# KiCad board polygonus.kicad_pcb (continued)
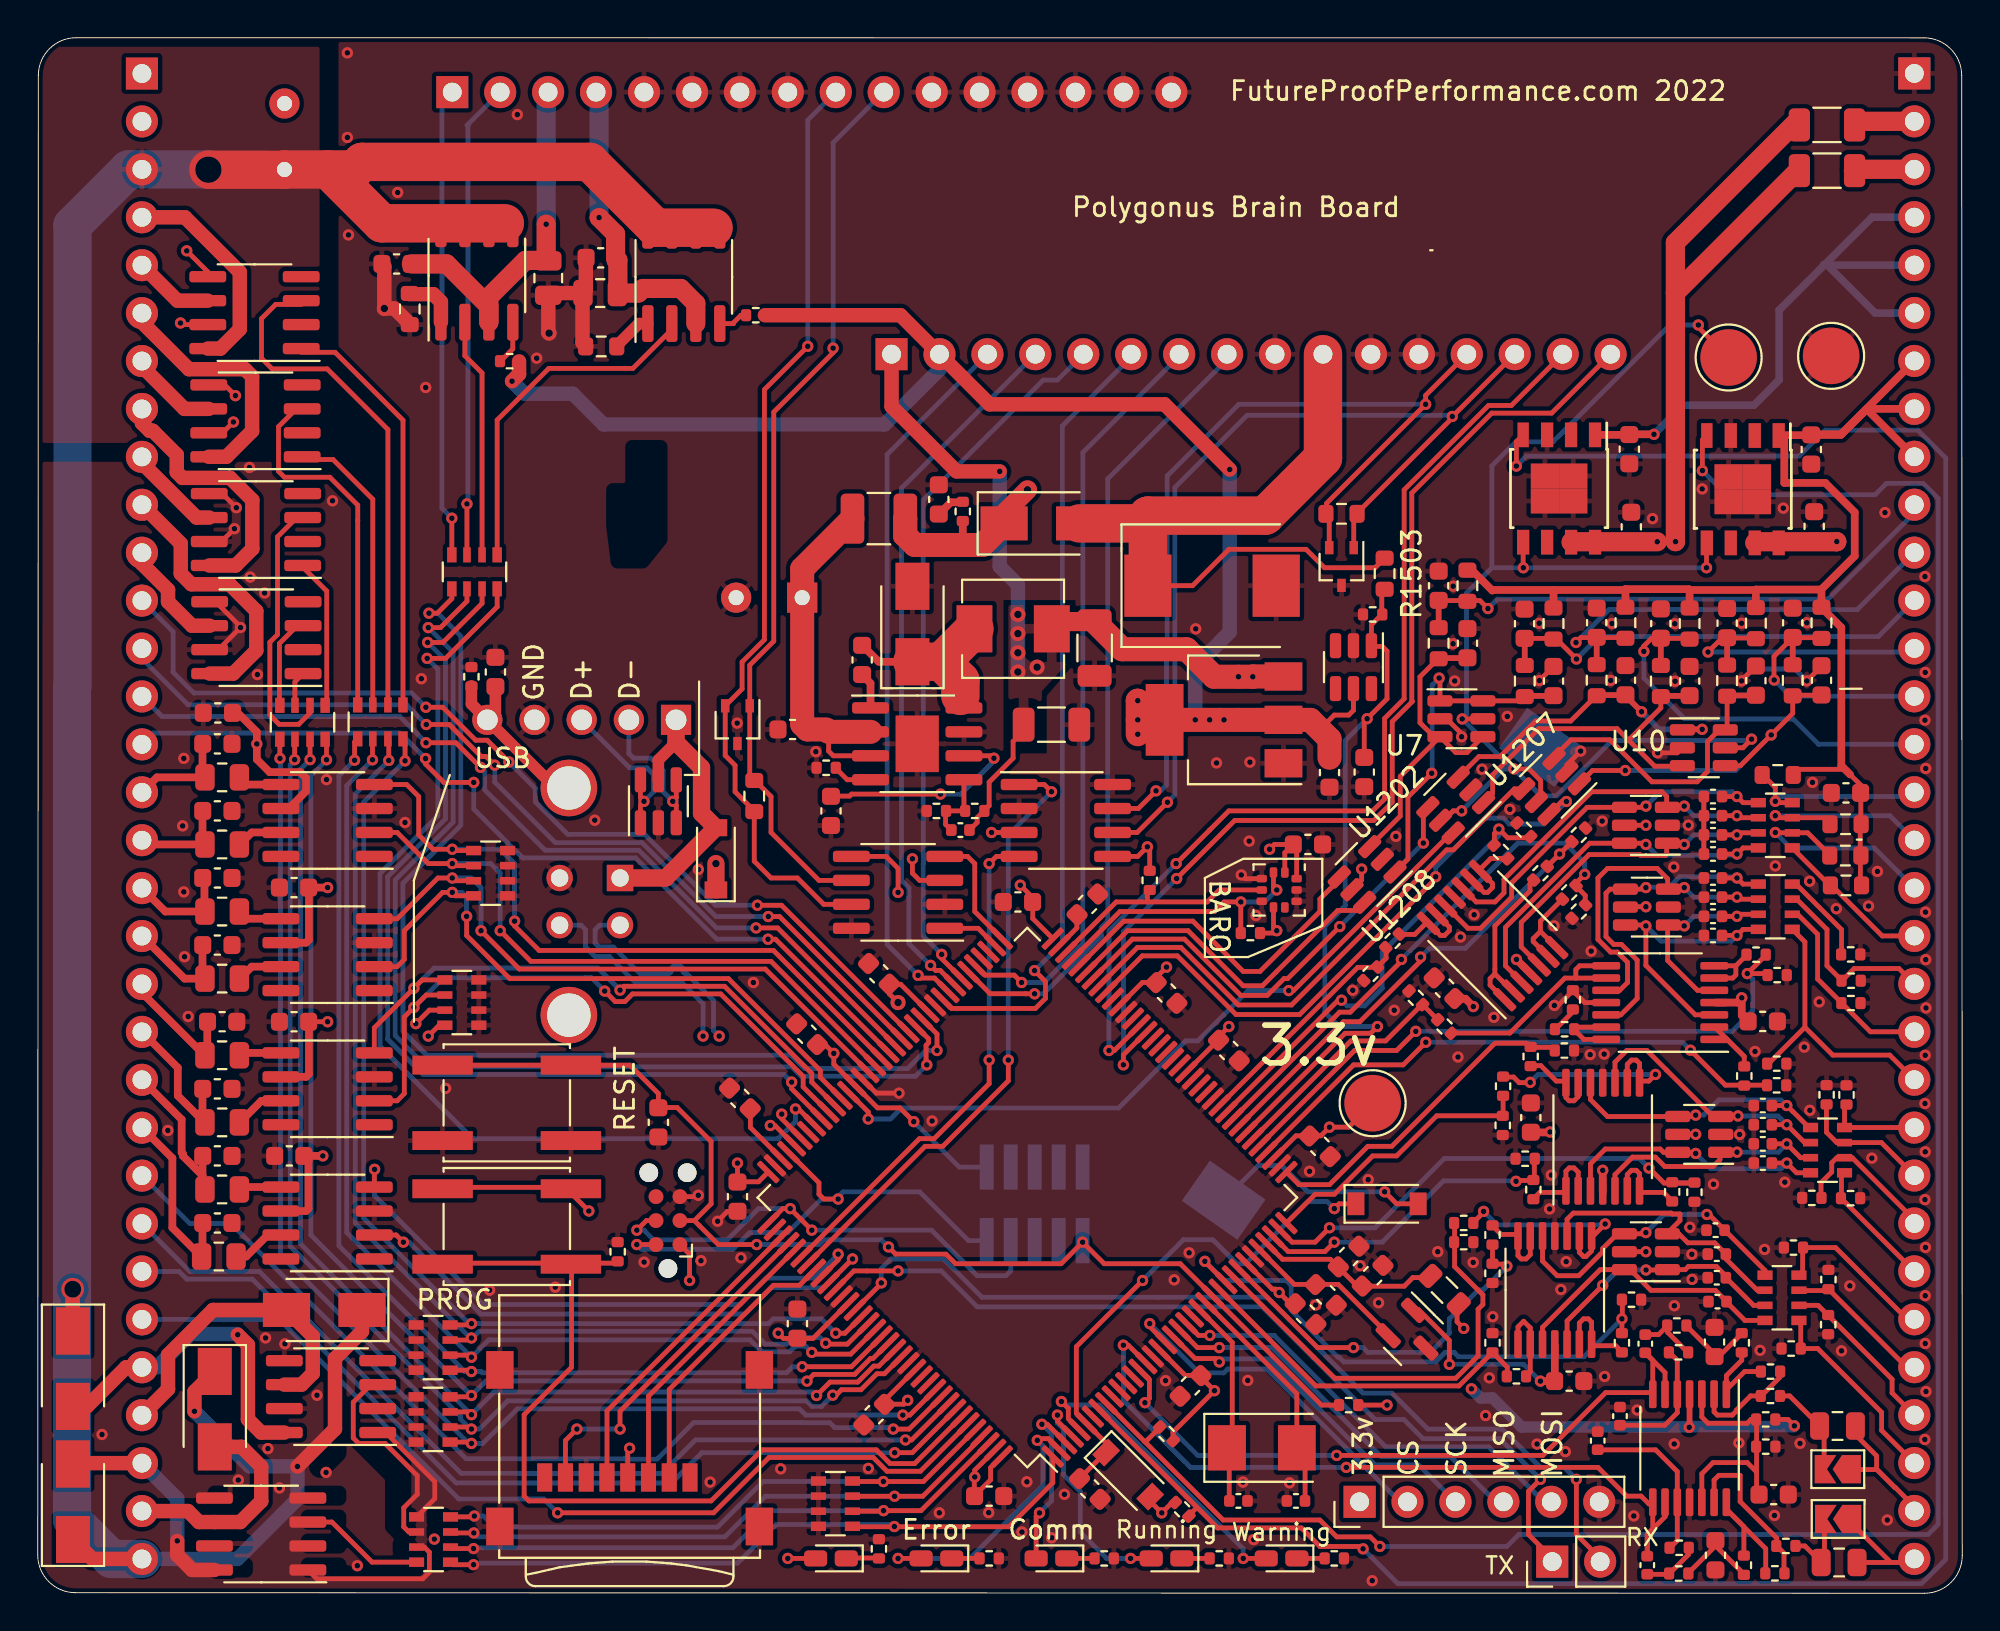
[diagram p0: board, top side]
## Routing (per net, layer and track width the routed paths; a pad name or vN(x,y) marks a point on that pad's centre or on a via; arc(x,y) is an arc through that point) (continued)
/mcu/BARO_SDA: length 12.4
  Top w0.254: 58.79,36.65 58.79,37.18 58.92,37.3 ; 58.79,36.65 57.14,36.65 U1501.70 ; 58.79,36.65 61.97,36.65 62.6,37.28 U9.4
/mcu/BOOT0: length 48.4
  Top w0.254: 30.73,17.62 30.61,17.5 28.28,17.5 ; 28.28,17.5 28.28,11.98 25.77,9.47 25.77,5.15 26.03,4.9 35.68,4.9 38.39,7.6 44.44,7.6 45.17,6.87 46.46,6.87 U1501.138 ; 28.28,17.5 21.48,17.5
/mcu/CAN2_RX: length 6.3
  Top w0.254: U1501.73 51.08,34.71 49.65,36.14 49.65,38.68 49.27,39.06 U6.4
/mcu/CAN2_TX: length 3
  Top w0.254: U6.1 49.83,35.25 U1501.74
/mcu/CAN_RX: length 27.1
  Top w0.254: v1(50.41,28.26) 50.41,27.01 47.5,24.1 46.72,24.1 U1501.114 ; v1(50.41,38.68) 50.79,39.06 U904.4
  Bottom w0.254: v1(50.41,38.68) v1(50.41,28.26)
/mcu/CAN_TX: length 32.7
  Top w0.254: v1(53.71,42.49) 53.33,42.87 U904.1 ; U1501.115 47.02,23.69 47.95,23.69 51.43,27.16 v1(51.43,28.26)
  Bottom w0.254: v1(53.71,42.49) 51.43,40.2 v1(51.43,28.26)
/mcu/DIGITAL1: length 38.9
  Top w0.254: 74.69,40.25 74.69,40.09 66.54,31.95 v1(66.29,31.95) ; v1(44,25.14) 44,25.52 U1501.96
  Bottom w0.254: v1(66.29,31.95) 64.13,31.95 61.46,29.28 60.83,29.28 57.27,25.72 45.77,25.72 45.18,25.14 v1(44,25.14)
/mcu/DIGITAL2: length 32.9
  Top w0.254: v1(74.07,37.98) 74.07,37.88 66.86,30.68 63.49,30.68 60.38,33.79 58.53,33.79 U1501.64 ; v1(81,41.97) 80.75,41.97 U1207.6
  Bottom w0.254: v1(81,41.97) 79.8,40.77 77.97,40.77 77.66,41.09 77.18,41.09 77.18,41.08 76.69,41.08 74.07,38.47 v1(74.07,37.98)
/mcu/DIGITAL3: length 29.3
  Top w0.254: U1501.65 58.27,34.23 60.57,34.23 63.62,31.18 66.43,31.18 74.66,39.41 75.01,39.41 78.24,42.64 U1207.4
/mcu/DIGITAL4: length 18.7
  Top w0.254: U1208.6 69.88,36.19 68.88,36.19 64.89,32.2 63.87,32.2 60.95,35.12 57.74,35.12 U1501.67
/mcu/DIGITAL5: length 24.9
  Top w0.254: v1(73.42,39.77) 73.42,41.41 U1202.4 ; U1501.66 58,34.68 60.76,34.68 63.75,31.69 65.14,31.69 66.03,32.58 66.23,32.58 v1(68.99,35.34)
  Bottom w0.254: v1(73.42,39.77) v1(68.99,35.34)
/mcu/DIGITAL6: length 18.2
  Top w0.254: U1501.68 57.54,35.63 61.21,35.63 63.87,32.96 64.76,32.96 67.94,36.14 67.94,36.8 68.96,37.83
/mcu/LED1: length 14.5
  Top w0.254: D1504.2 v1(45.59,1.85) ; v1(52.96,8.11) 53.05,8.19 53.55,8.19 U1501.2
  Bottom w0.254: v1(45.59,1.85) 49.4,1.85 53.26,5.71 53.26,7.81 v1(52.96,8.11)
/mcu/LED2: length 9.4
  Top w0.254: U1501.3 53.49,8.96 v1(53.21,8.96) ; v1(53.08,4.26) 52.9,4.08 D1505.2
  Bottom w0.254: v1(53.08,4.26) 53.71,4.9 53.71,8.45 v1(53.21,8.96)
/mcu/LED3: length 12.5
  Top w0.254: D1506.2 v1(57.9,1.85) ; U1501.4 54.03,9.13 v1(54.03,9.44)
  Bottom w0.254: v1(57.9,1.85) 56.63,1.85 55.24,3.24 55.24,5.4 54.35,6.29 54.35,8.7 54.03,9.02 v1(54.03,9.44)
/mcu/LED4: length 16.5
  Top w0.254: U1501.5 54.61,9.25 54.61,9.8 v1(54.24,10.17) ; v1(63.87,1.85) D1507.2
  Bottom w0.254: v1(54.24,10.17) 54.43,9.98 56.25,9.98 63.87,2.36 v1(63.87,1.85)
/mcu/nRESET: length 61.1
  Top w0.254: v1(45.08,18.36) 45.46,17.98 48.13,17.98 48.63,17.47 54.22,17.47 v1(55.36,18.61) 56.51,17.47 60.54,17.47 U1501.25 68.03,9.98 68.98,9.98 ; SW1501.1 SW1501.1 31.37,28 32.89,26.49 32.89,25.75 33.88,25.75 35.68,23.95 35.68,20.64 34.79,19.75 ; J4.3 34.79,19.75 ; 34.79,19.75 36.06,18.48 v1(38.09,18.48)
  Bottom w0.254: J1502.10 v1(55.36,18.61) ; v1(45.08,18.36) 44.7,18.74 41.65,18.74 41.39,18.48 v1(38.09,18.48)
/mcu/SD_CS: length 15
  Top w0.254: J1.2 33.46,10.81 38.98,16.33 40.36,16.33 U1501.116
/mcu/SD_MISO: length 18.7
  Top w0.254: J1.7 27.96,8.1 v1(28.57,8.71) ; v1(30.85,8.71) 30.85,9.65 U1501.112
  Bottom w0.254: v1(28.57,8.71) v1(30.85,8.71)
/mcu/SD_MOSI: length 15.3
  Top w0.254: U1501.113 32.36,10.45 J1.3
/mcu/SD_SCK: length 16.6
  Top w0.254: J1.5 30.16,9.66 U1501.111
/mcu/SWCLK: length 26.6
  Top w0.254: v1(31.74,19.25) 32.25,19.75 J4.4 ; v1(41.01,19.25) v1(39.87,20.39) 39.47,20.39 U1501.109
  Bottom w0.254: v1(39.87,20.39) 38.19,20.39 36.53,18.74 32.63,18.74 32.12,19.25 v1(31.74,19.25) ; v1(41.01,19.25) 47.36,19.25 49.78,16.83 51.3,16.83 51.55,17.09 51.55,18.69
/mcu/SWDIO: length 26.1
  Top w0.254: J4.2 v1(31.74,18.48) ; v1(42.41,20.9) 41.65,20.9 41.39,21.15 41.39,21.76 U1501.105
  Bottom w0.254: J1502.2 49.31,18.69 46.73,21.28 42.66,21.28 42.41,21.02 v1(42.41,20.9) 41.52,20.9 39.74,19.12 37.72,19.12 36.83,18.23 32,18.23 v1(31.74,18.48)
/mcu/UART_RX: length 49.4
  Top w0.254: 82.8,1.85 81.53,3.12 v1(81.53,6.04) ; U1501.122 44.7,16.42 v1(44.7,16.45)
  Bottom w0.254: v1(44.7,16.45) 44.7,17.21 45.2,17.72 48,17.72 50.03,15.69 65.14,15.69 70.22,10.61 71.75,10.61 73.65,8.71 77.59,8.71 79.62,6.67 80.89,6.67 v1(81.53,6.04)
/mcu/UART_TX: length 47.4
  Top w0.254: v1(45.59,17.09) 43.24,17.09 U1501.119 ; v1(79.62,6.04) 78.99,5.4 78.99,3.12 80.26,1.85
  Bottom w0.254: v1(79.62,6.04) 77.46,8.2 73.4,8.2 72.38,9.21 70.86,9.21 64.89,15.18 49.78,15.18 47.87,17.09 v1(45.59,17.09)
/quad_analog3/IN4: length 4.9
  Top w0.254: 95.58,33.86 95.58,35.18 93.16,37.59 RN901.4
/quad_analog3/OUT4: length 1.3
  Top w0.254: 80.42,29.9 81.34,30.82
/USB_D+: length 38.9
  Top w0.254: U1501.104 40.12,23.74 39.06,24.8 v3(38.82,24.8) ; 31.94,40.88 31.94,41.79 v3(32.12,41.98) 31.94,42.17 31.94,43.08
  In1.Cu w0.254: v3(38.82,24.8) 38.82,25.04 35.43,28.43 35.43,29.36 v3(35.25,29.53) ; J1501.3 29,36.76 29,39.47 29.61,40.07 32.15,40.07 32.63,40.56 32.63,41.47 v3(32.12,41.98)
  Bottom w0.254: J1501.3 28.78,35.42 29.02,35.17 29.02,34.25 29.53,33.75 30.29,33.75 31.71,32.33 34.18,32.33 35.25,31.25 v3(35.25,29.53) ; v3(32.12,41.98) 32.63,42.49 32.63,43.4 32.27,43.76 31.36,43.76 J1504.3
/USB_D-: length 38.2
  Top w0.254: 33.84,43.08 33.84,42.17 v3(33.65,41.98) 33.84,41.79 33.84,40.88 ; U1501.103 40.47,24.1 39.42,25.16 v3(39.42,25.4)
  In1.Cu w0.254: v3(33.65,41.98) 33.14,41.47 33.14,40.35 32.36,39.57 29.82,39.57 29.51,39.26 29.51,36.76 J1501.2 ; v3(36.11,29.53) 35.93,29.36 35.93,28.64 39.18,25.4 v3(39.42,25.4)
  Bottom w0.254: v3(36.11,29.53) 35.81,29.83 35.81,31.42 34.39,32.84 34.34,32.84 34.3,32.86 34.26,32.88 34.22,32.91 34.2,32.96 34.18,33 34.17,33.09 34.15,33.14 34.13,33.18 34.1,33.21 34.06,33.24 34.01,33.25 33.96,33.26 33.79,33.26 33.74,33.25 33.7,33.24 33.66,33.21 33.62,33.18 33.6,33.14 33.58,33.09 33.57,33 33.55,32.96 33.53,32.91 33.5,32.88 33.46,32.86 33.41,32.84 33.36,32.84 31.92,32.84 30.5,34.26 29.74,34.26 29.53,34.46 29.53,35.17 29.78,35.42 J1501.2 ; J1504.2 31.32,44.52 31.57,44.27 32.48,44.27 33.14,43.61 33.14,42.49 v3(33.65,41.98)
/USB_SHIELD: length 23.5
  Top w0.61: J1501.5 27.43,42.69 J1504.5 ; J1504.5 24.25,46.73 24.25,48.05 ; J1504.5 22.98,47.14 22.98,48.1
  In1.Cu w0.762: J1501.5 26.28,40.82 26.28,32.51 J1501.5
/VR1+: length 56.8
  Top w0.254: U1501.58 57.52,28.54 v3(57.52,28.01) ; J6.16 80.22,62.56 77.04,62.56 72.81,58.32 72.81,47.3 72.83,47.27 71.77,46.21 71.77,41.94 70.8,40.96 63.42,40.96 v3(60.35,37.89)
  Bottom w0.254: v3(57.52,28.01) 57.52,35.06 v3(60.35,37.89)
/VR2+: length 54.2
  Top w0.254: U1501.59 57.05,28.77 v3(56.76,28.77) ; 62.1,40.46 63.11,41.47 70.73,41.47 71.36,42.1 71.36,46.38 72.4,47.41 72.4,58.49 76.87,62.96 78.08,62.96 J6.15 ; v3(60.32,38.68) 62.09,40.45 62.09,40.46
  Bottom w0.254: v3(56.76,28.77) 56.76,35.12 v3(60.32,38.68)
Net-(BT1-Pad1): length 11.9
  Top w0.254: D3.2 72,20.64 v1(71.37,21.28)
  Bottom w0.254: v1(71.37,21.28) 67.3,21.28 65.91,22.68 64.68,22.68 BT1.1
Net-(C1-Pad1): length 15.2
  Top w0.254: RN701.8 90.46,14.46 89.49,15.43 89.49,15.46 88.89,16.06 85.48,16.06 84.38,17.15 82.79,17.15 79.73,14.1 79.73,13.12
Net-(C2-Pad1): length 13.8
  Top w0.254: v1(85.22,17.14) 86.29,17.14 86.31,17.15 87.29,17.15 87.47,17.33 88.94,17.33 89.46,16.81 ; v1(82.92,16.33) 81.03,14.44 81.03,13.12 ; RN701.7 90.92,15.26 89.45,16.73
  Bottom w0.254: v1(82.92,16.33) 83.73,17.14 v1(85.22,17.14)
Net-(C3-Pad1): length 14.9
  Top w0.254: RN701.6 91.11,16.06 89.45,17.72 89.45,17.98 88.85,18.58 87.43,18.58 86.96,19.05 86.31,19.05 87.02,19.76 87.02,20.11 86.59,20.11 86.54,20.15 81.36,20.15 81.03,19.82 81.03,19.02
Net-(C4-Pad1): length 16.4
  Top w0.254: 79.73,19.02 79.73,17.61 80.51,16.83 81.65,16.83 82.92,18.1 82.92,18.28 83.7,19.05 85.14,19.05 v1(85.21,19.12) ; v1(88.44,20.08) 88.55,20.08 91.52,17.11 RN701.5
  Bottom w0.254: v1(85.21,19.12) 86.17,20.08 v1(88.44,20.08)
Net-(C5-Pad1): length 15.1
  Top w0.254: 91.89,22.81 v1(92.67,22.81) 93.19,22.29 RN801.8 ; 82.27,21.25 82.27,22.76 83.06,23.55 85.97,23.55 86.15,23.37 87.79,23.37 v1(87.85,23.31)
  Bottom w0.254: v1(92.67,22.81) 92.37,22.51 88.66,22.51 v1(87.85,23.31)
Net-(C6-Pad1): length 13.7
  Top w0.254: v1(90.04,23.38) 90.03,23.37 89.13,23.37 89.13,22.99 88.77,22.62 86.21,22.62 85.71,23.12 84.5,23.12 83.57,22.19 83.57,21.25 ; RN801.7 93.41,23.09 v1(92.67,23.82) 91.89,23.82
  Bottom w0.254: v1(90.04,23.38) 92.24,23.38 v1(92.67,23.82)
Net-(C7-Pad1): length 14.4
  Top w0.254: 91.89,24.84 v1(92.67,24.84) 93.62,23.89 RN801.6 ; v1(90.09,25.3) 90.06,25.27 88.76,25.27 86.3,27.74 85.27,28.77 84.19,28.77 83.57,28.15 83.57,27.15
  Bottom w0.254: v1(92.67,24.84) 92.21,25.3 v1(90.09,25.3)
Net-(C8-Pad1): length 14.8
  Top w0.254: RN801.5 93.85,24.69 92.98,25.55 ; 86.2,25.28 86.93,25.28 86.93,25.27 87.78,25.27 v1(87.85,25.35) ; 82.27,27.15 82.27,26.17 83.17,25.27 86.19,25.27 86.2,25.28 ; 91.89,25.85 v1(92.67,25.85) 93,25.53
  Bottom w0.254: v1(92.67,25.85) 92.37,26.15 89.08,26.15 88.27,25.35 v1(87.85,25.35)
Net-(C9-Pad1): length 15.3
  Top w0.254: 89.25,34.87 v1(90.04,34.87) 90.36,35.19 RN901.8 ; 88.92,30.66 87.83,30.66 85.21,33.28 v1(85.21,35.38) 85.16,35.42 84.16,35.42
  Bottom w0.254: v1(85.21,35.38) 86.02,34.57 89.74,34.57 v1(90.04,34.87)
Net-(C10-Pad1): length 11
  Top w0.254: v1(87.24,35.38) 87.19,35.42 86.36,35.42 86.36,33.54 87.94,31.96 88.92,31.96 ; 89.25,35.88 v1(90.04,35.88) 90.14,35.99 RN901.7
  Bottom w0.254: v1(87.24,35.38) 87.75,35.88 v1(90.04,35.88)
Net-(C11-Pad1): length 18.3
  Top w0.254: 89.25,36.9 v1(90.04,36.9) 90.14,36.79 RN901.6 ; v1(87.24,37.41) 87.16,37.32 86.36,37.32 86.36,37.87 85.81,38.42 83.18,38.42 82.67,37.92 82.67,34.66 83.34,33.99 83.7,33.99 84.24,33.45 84.24,32.37 83.82,31.96 83.02,31.96
  Bottom w0.254: v1(90.04,36.9) 87.75,36.9 v1(87.24,37.41)
Net-(C12-Pad1): length 18
  Top w0.254: v1(85.21,37.41) 85.13,37.32 83.31,37.32 83.09,37.11 83.09,34.81 83.51,34.39 83.91,34.39 84.75,33.56 84.75,31.53 83.88,30.66 83.02,30.66 ; RN901.5 90.36,37.59 v1(90.04,37.92) 89.25,37.92
  Bottom w0.254: v1(85.21,37.41) 85.23,37.43 86.44,37.43 87,37.99 89.96,37.99 v1(90.04,37.92)
Net-(C13-Pad1): length 19.8
  Top w0.254: v1(85.21,39.69) 85.14,39.76 82.23,39.76 77.77,35.3 77.77,33.26 78.71,32.32 ; 89.25,39.19 v1(90.04,39.19) 90.36,39.51 RN1101.8
  Bottom w0.254: v1(90.04,39.19) 89.96,39.11 85.79,39.11 v1(85.21,39.69)
Net-(C14-Pad1): length 18.5
  Top w0.254: 79.63,33.24 78.61,34.26 78.61,35.56 82.2,39.15 84.89,39.15 84.93,39.11 86.24,39.11 86.31,39.18 86.31,39.76 87.18,39.76 v1(87.24,39.69) ; 89.25,40.2 v1(90.04,40.2) 90.14,40.31 RN1101.7
  Bottom w0.254: v1(90.04,40.2) 87.75,40.2 v1(87.24,39.69)
Net-(C15-Pad1): length 20.6
  Top w0.254: v1(87.24,41.73) 87.18,41.66 86.31,41.66 86.31,42.24 86.06,42.49 82.33,42.49 77.69,37.84 77.69,37.13 77.21,36.65 76.22,36.65 75.45,37.41 ; RN1101.6 90.14,41.11 v1(90.04,41.22) 89.25,41.22
  Bottom w0.254: v1(87.24,41.73) 87.75,41.22 v1(90.04,41.22)
Net-(C16-Pad1): length 21.6
  Top w0.254: RN1101.5 90.36,41.91 v1(90.04,42.23) 89.25,42.23 ; v1(85.21,41.73) 85.14,41.66 82.1,41.66 78.1,37.66 78.1,36.9 76.45,35.25 75.78,35.25 74.54,36.49
  Bottom w0.254: v1(90.04,42.23) 89.78,42.49 85.97,42.49 v1(85.21,41.73)
Net-(C21-Pad2): length 4.2
  Top w0.254: 90.29,13.76 89.06,12.53 88.85,12.53 88.85,12.68 87.33,14.19
Net-(C22-Pad2): length 4.8
  Top w0.254: 90.4,1 90.4,1.02 88.89,2.52 88.89,2.8 88.89,2.51 87.44,1.05
Net-(C23-Pad1): length 3.2
  Top w0.254: 87.42,12.77 86.36,13.83 86.36,14.19 85.88,13.71 85.18,13.71
Net-(C24-Pad1): length 3
  Top w0.254: 85.28,1.01 86.42,1.01 87.46,2.04 87.46,2.41
Net-(C25-Pad2): length 6.7
  Top w0.254: 86.45,12.77 86.87,12.35 U5.5 86.87,9.57 86.21,8.9 83.84,8.9
Net-(C26-Pad2): length 8.9
  Top w0.254: 82.66,7.6 85.72,7.6 86.87,6.45 86.87,2.8 86.49,2.41
Net-(C30-Pad1): length 27.6
  Top w0.254: v1(58.54,16.58) 55.03,13.07 55.03,9.54 U1501.6 56.61,7.96 D4.1 56.58,7.46 C30.1 ; D3.1 68.95,20.64 v1(68.7,20.39)
  Bottom w0.254: v1(58.54,16.58) 60.7,18.74 62.26,18.74 63.53,17.47 64,17.47 67.3,20.77 68.32,20.77 v1(68.7,20.39)
Net-(C902-Pad1): length 11.2
  Top w0.254: 42.03,42.26 43.02,42.26 43.12,42.36 v1(47.83,42.36) ; v1(50.67,44.27) 50.54,44.39 U903.6
  Bottom w0.254: v1(50.67,44.27) 50.67,44.12 48.9,42.35 47.85,42.35 v1(47.83,42.36)
Net-(C904-Pad1): length 1.9
  Top w0.406: 44.13,46.93 44.13,48.24 43.68,48.68
Net-(C904-Pad2): length 9.3
  Top w0.406: D901.1 44.56,49.38 43.68,50.26
  Top w2.032: 48.89,47.57 48.89,48.38 47.89,49.38 ; D901.1 47.89,49.38 ; 47.89,49.38 L1001.1
Net-(C905-Pad2): length 3.9
  Top w0.254: U903.5 49.08,41.56 49.16,41.47 48.1,41.47 48.1,40.76 48.4,40.46
Net-(C1001-Pad1): length 19.1
  Top w0.254: 44.13,44.39 42.16,44.39 41.9,44.65 41.9,45.66 41.78,45.79
  Top w1.27: L1002.2 40.51,54.3 C1001.1 40.51,46.07 40.78,45.79 41.78,45.79 ; 41.9,45.66 44.13,45.66
Net-(C1006-Pad1): length 1.5
  Top w0.406: 49.01,57.83 48.38,57.83 47.74,57.19
Net-(C1205-Pad1): length 16.6
  Top w0.254: U1202.3 76.36,44.35 77.49,44.35 79.37,46.24 81.23,46.24 82.6,47.61
  Top w0.305: v1(84.98,46.73) 84.13,47.58 84.13,47.61 82.6,47.61 ; U10.1 87.17,45.79 v1(88.19,45.79)
  Bottom w0.305: v1(88.19,45.79) 85.91,45.79 v1(84.98,46.73)
Net-(C1208-Pad1): length 17.1
  Top w0.254: U7.3 75.14,44.56 75.73,44.56 U7.4 ; U7.3 73.98,45.4 73.24,46.14 73.24,48.58 74.23,49.57 ; U7.3 72.19,43.3 72.19,41.2 U1208.3
  Top w0.305: 74.23,49.57 75.75,49.57
Net-(C1402-Pad1): length 17.5
  Top w0.254: U1202.1 77.09,42.39 77.09,43.38 79.54,45.83 83.69,45.83 85.67,43.84 86.48,43.84 ; 84.29,45.22 86,46.93 86,47.57
  Top w0.305: 86,47.57 87.53,47.57
Net-(C1404-Pad1): length 18.5
  Top w0.254: v1(84.12,43.61) 82.38,43.61 81.69,42.92 U1207.1 ; U10.4 90.22,43.87 v1(91.85,45.5) 92.99,46.64 92.99,47.61 94.51,47.61
  Bottom w0.254: v1(91.85,45.5) 89.97,43.62 84.12,43.62 v1(84.12,43.61)
Net-(C1406-Pad1): length 15.9
  Top w0.254: 89.51,47.59 89.51,45.87 U10.6 89.1,45.77 88.47,45.15 88.47,43.56 87.92,43.01 85.53,43.01 83.31,45.24 81.24,45.24 80.29,44.29
  Top w0.305: 89.51,47.59 91.04,47.59
Net-(C1408-Pad1): length 19
  Top w0.254: 78.52,47.3 78.79,47.57 78.53,47.3 U7.6 U7.1 74.3,48.47 v1(74.26,48.51) ; U1208.1 72.6,38.92 72.6,42.21 v1(73.86,43.47)
  Top w0.305: 78.79,47.57 80.31,47.57
  Bottom w0.254: v1(74.26,48.51) 73.89,48.15 73.89,43.5 v1(73.86,43.47)
Net-(C1518-Pad1): length 2
  Top w0.254: 55.06,35.96 55.06,35.27 U1501.71
Net-(C1519-Pad1): length 3.3
  Top w0.254: 37.76,25.67 37.76,24.69 U1501.106
Net-(C1520-Pad1): length 8.7
  Top w0.254: 71.51,13.69 71.51,13.77 68.9,16.37 66.58,16.37 U1501.32
Net-(C1521-Pad1): length 11
  Top w0.254: U1501.23 63.29,13.3 63.29,7.99 Y1501.1 63.13,7.59 63.13,4.9
Net-(C1522-Pad1): length 12.7
  Top w0.254: 67.15,4.9 67.15,7.27 Y1501.2 66.72,10.58 U1501.24
Net-(C1901-Pad1): length 5.2
  Top w0.254: 92.29,10.46 92.83,10.46 94.65,8.64 JP1.2
Net-(C1902-Pad1): length 4.1
  Top w0.254: JP2.2 94.67,1.79 94.51,1.63 93.63,2.51 93.11,2.51
Net-(D1502-Pad1): length 1.7
  Top w0.254: D1502.1 42.86,1.87 44.57,1.87
Net-(D1503-Pad2): length 15.2
  Top w0.61: 33.82,45.11 32.89,44.17 32.89,43.08
  Top w0.914: J1501.1 33.27,37.92 D1503.2 35.17,41.34 35.17,43.76 33.82,45.11 J1504.1
Net-(D1504-Pad1): length 1.5
  Top w0.254: D1504.1 49.93,1.85
Net-(D1505-Pad1): length 1.5
  Top w0.254: 56.02,1.85 D1505.1
Net-(D1506-Pad1): length 1.5
  Top w0.254: D1506.1 62.12,1.85
Net-(D1507-Pad1): length 1.5
  Top w0.254: D1507.1 68.21,1.85
Net-(F101-Pad1): length 3.3
  Top w0.254: 96.21,77.83 96.4,78.02
  Top w1.016: 96.4,78.02 J3.2
Net-(F102-Pad2): length 3.3
  Top w1.016: J3.3 96.28,75.48 96.21,75.41
Net-(R1-Pad2): length 4.6
  Top w0.254: 78.84,11.5 79.08,11.75 79.08,14.07 78.73,14.42 78.43,14.12 78.43,13.12
Net-(R2-Pad2): length 5
  Top w0.254: 81.68,13.12 81.68,14.32 81.91,14.55 82.16,14.55 82.33,14.38 82.33,13.12 83.61,13.12 83.94,12.79
Net-(R3-Pad2): length 11.2
  Top w0.254: 76.04,19.63 76.61,20.19 v1(76.61,20.24) ; v1(83.05,19.58) 82.5,19.02 82.33,19.02 82.33,18.15 82.03,17.85 81.91,17.85 81.68,18.07 81.68,19.02
  Bottom w0.254: v1(83.05,19.58) 83,19.53 77.32,19.53 v1(76.61,20.24)
Net-(R4-Pad2): length 4.6
  Top w0.254: 79.08,19.02 79.08,17.95 78.86,17.72 78.61,17.72 78.43,17.89 78.43,19.02 77.54,19.02 77.08,19.48
Net-(R9-Pad2): length 4.9
  Top w0.254: 79.25,20.91 79.59,21.25 80.97,21.25 80.97,22.38 81.15,22.55 81.4,22.55 81.62,22.32 81.62,21.25
Net-(R10-Pad2): length 4.7
  Top w0.254: 84.22,21.25 84.22,22.2 84.45,22.42 84.7,22.42 84.87,22.25 84.87,21.25 86.15,21.25 86.6,20.79
Net-(R11-Pad2): length 12
  Top w0.254: v1(85.72,27.5) 85.37,27.15 84.87,27.15 84.87,28.09 84.7,28.26 84.45,28.26 84.22,28.04 84.22,27.15 ; 77.64,27.36 78.2,27.36 78.5,27.07 79.06,27.07 v1(79.08,27.08)
  Bottom w0.254: v1(79.08,27.08) 79.5,27.5 v1(85.72,27.5)
Net-(R12-Pad2): length 4.7
  Top w0.254: 81.62,27.15 81.62,26.33 81.4,26.1 81.15,26.1 80.97,26.28 80.97,27.15 80.46,27.15 79.64,27.97 79.1,27.97
Net-(R17-Pad2): length 4.6
  Top w0.254: 88.92,29.36 89.51,29.36 90.42,28.45 90.42,27.9 ; 90.39,28.48 88.92,29.95 88.92,30.01
Net-(R18-Pad2): length 3.5
  Top w0.254: 88.92,32.61 89.81,32.61 89.98,32.78 89.98,33.26 ; 89.98,33.26 88.92,33.26 ; 89.98,33.26 90.57,33.85
Net-(R19-Pad2): length 11.4
  Top w0.254: 81.5,32.61 83.02,32.61 ; 81.5,32.61 80.92,32.61 78.01,29.7 74.88,29.7 ; 81.5,32.61 81.5,33.06 81.7,33.26 83.02,33.26
Net-(R20-Pad2): length 3.5
  Top w0.254: 83.02,30.01 81.5,30.01 81.39,29.9 81.92,29.36 83.02,29.36
Net-(R25-Pad2): length 8.5
  Top w0.254: 77.21,32.84 76.95,32.58 76.95,32.24 77.79,31.4 ; 77.21,32.84 77.21,35.38 79.07,37.24 79.07,37.62 79.28,37.83 ; 77.21,32.84 77.72,32.33
Net-(R26-Pad2): length 5.4
  Top w0.254: 80.55,34.16 79.62,35.08 ; 79.62,35.08 79.24,34.7 79.24,34.55 80.09,33.7 ; 79.62,35.08 79.62,35.63 80.8,36.81
Net-(R27-Pad2): length 4.5
  Top w0.254: 75.91,37.87 76.63,37.15 76.83,37.15 77.08,37.41 77.08,37.62 76.37,38.33 76.99,38.95 77.87,38.95
Net-(R28-Pad2): length 4.5
  Top w0.254: 72.13,34.93 72.97,34.93 73.62,35.57 74.32,34.87 74.54,34.87 74.8,35.12 74.8,35.31 74.08,36.03
Net-(R905-Pad1): length 2.1
  Top w0.254: 42.26,43.76 42.9,43.12 44.13,43.12
Net-(R1105-Pad1): length 1.6
  Top w0.254: U1102.4 36.86,67.3 36.86,67.34 37.26,67.75 37.56,67.75
Net-(R1106-Pad1): length 2.2
  Top w0.61: 30.64,66.09 31.85,67.3 U1102.1
Net-(R1107-Pad1): length 2.3
  Top w0.254: 24.52,65.31 25.17,65.96 U1103.4
Net-(R1108-Pad1): length 2.9
  Top w0.762: 19.71,68.86 20.96,68.86 21.36,68.46 U1103.1
Net-(R1601-Pad2): length 2.8
  Top w0.406: 10.53,17.85 11.04,17.85 12.18,18.99 U1602.7
Net-(R1602-Pad2): length 2.2
  Top w0.406: U1602.5 10.84,21.53 10.71,21.41
Net-(R1603-Pad2): length 2.6
  Top w0.406: 10.71,24.96 11.85,26.1 12.88,26.1
Net-(R1604-Pad2): length 2.2
  Top w0.406: U1603.5 10.84,28.64 10.71,28.52
Net-(R1701-Pad2): length 2.4
  Top w0.406: U1701.7 11.34,33.22 10.71,32.58
Net-(R1702-Pad2): length 2.3
  Top w0.406: 10.71,36.14 11.09,35.76 12.88,35.76
Net-(R1703-Pad2): length 2.4
  Top w0.406: U1702.7 11.34,40.33 10.71,39.69
Net-(R1704-Pad2): length 2.3
  Top w0.406: 10.71,43.25 11.09,42.87 U1702.5
Net-(R1901-Pad1): length 5.7
  Top w0.254: 92.3,11.75 92.3,11.44 91.32,10.46 90.76,10.46 90.01,9.71 90.01,9.66 89.79,9.45 89,9.45 88.82,9.62 88.82,10.64
Net-(R1902-Pad1): length 8.9
  Top w0.254: 88.82,4.74 88.82,6 89.07,6.25 90.2,6.25 90.2,4.86 92.14,2.92 92.14,2.51 92.53,2.12 92.53,1.06
Net-(R1903-Pad1): length 4.9
  Top w0.254: 90.29,12.79 90.29,12.35 89.47,11.54 89.47,10.64 89.47,10.79 90.44,11.75 91.33,11.75
Net-(R1904-Pad1): length 7.7
  Top w0.254: 90.4,1.97 90.4,3.53 89.47,4.46 89.47,4.74 89.47,4.45 91.56,2.37 91.56,1.06
Net-(RN201-Pad5): length 22
  Top w0.254: RN201.5 19.35,62.18 15.75,65.78 13.97,65.78
Net-(RN201-Pad6): length 27.4
  Top w0.254: 13.97,68.32 12.61,68.32 11.86,67.57 11.86,65.46 12.42,64.9 15.34,64.9 18.55,61.69 RN201.6
Net-(RN201-Pad7): length 15.5
  Top w0.254: 14.03,60.1 15.65,60.1 17.75,57.99 RN201.7
Net-(RN201-Pad8): length 19.5
  Top w0.254: 14.03,62.64 13.55,62.64 12.76,61.84 12.76,59.47 13.07,59.16 15.48,59.16 16.96,57.68 16.96,56.87 16.95,56.87 RN201.8
Net-(RN301-Pad5): length 7.9
  Top w0.254: 14.02,54.41 15.31,53.12 15.31,47.15 RN301.5
Net-(RN301-Pad6): length 14.3
  Top w0.254: 14.02,56.95 13.66,56.95 12.7,56 12.7,50.82 12.3,50.41 12.3,46.55 12.79,46.06 13.83,46.06 14.43,46.66 RN301.6
Net-(RN301-Pad7): length 1.9
  Top w0.254: U302.1 13.63,48.32 RN301.7
Net-(RN301-Pad8): length 4.9
  Top w0.254: U302.3 13.75,51.29 12.81,50.35 12.81,47.09 RN301.8
Net-(RN501-Pad5): length 6.4
  Top w0.254: RN501.5 21.04,5.01 21.04,5.92 18.44,8.52 U501.1
Net-(RN501-Pad6): length 11.6
  Top w0.254: U501.3 17.65,11.06 16.72,10.13 16.72,8.23 17.01,7.94 18.41,7.94 20.11,6.24 20.11,5.25 19.39,4.53 19.39,3.52 19.66,3.25 RN501.6
Net-(RN501-Pad7): length 8.9
  Top w0.254: 19.84,2.45 RN501.7 20.48,2.45 20.75,2.18 20.75,1.12 20.4,0.77 14.78,0.77 U502.1
Net-(RN501-Pad8): length 6.6
  Top w0.254: U502.3 15.59,3.78 17.71,1.65 RN501.8
Net-(RN1301-Pad5): length 18.7
  Top w0.254: U1102.2 33.6,66.99 31.53,64.93 27.08,64.93 24.34,62.19 RN1301.5
Net-(RN1301-Pad6): length 12.7
  Top w0.254: RN1301.6 23.54,64.69 22.63,65.6 U1103.2

## Copper pours and planes (outline as drawn; the poured copper is in the pictures)
+3V3 on In2.Cu: 28.43,-0.02 76.43,-0.02 76.43,16.98 65.91,37.92 63.37,47.31 56,48.08 56,37.66 28.43,37.66
+5V on Top: 54.73,49.47 53.21,47.82 53.21,44.77 51.43,44.77 51.43,52.39 54.73,52.39
+5V on In2.Cu: 0.03,82.48 0.03,-0.02 27.43,-0.02 27.62,38.17 55.24,38.17 55.24,48.84 64.13,47.82 66.92,37.92 77.59,16.58 77.43,-0.02 101.99,-0.02 101.99,82.48
/12V_MR on Top: 33.14,55.82 32.12,54.55 30.6,54.55 30.35,56.58 30.35,58.62 31.36,58.62 31.36,60.9 33.14,60.9
/12V_MR on Top: 14.93,81.98 -0.06,81.98 -0.06,60.98 14.93,60.98
/12V_MR on Bottom: 34.41,74.36 40.76,63.32 40.76,59.12 33.14,55.57 26.79,55.57 18.53,65.35 11.93,72.08 11.93,77.54 26.28,77.67 29.33,79.95 32.12,79.95
GND on Top: 102,-0.02 -0.03,-0.02 -0.03,59.98 15.93,59.98 15.93,82.48 102,82.48 ; 1 cut-out
GND on Bottom: 101.99,-0.02 -0.03,-0.02 -0.03,82.48 101.99,82.48
GND on In1.Cu: 0.08,82.48 0.08,-0.02 101.94,-0.02 101.94,82.48

## Text on the board
B.Silkscreen: USB B | +
F.Silkscreen: Running | Warning | TX | RX | PROG | USB | Error | Comm | Polygonus Brain Board | FutureProofPerformance.com 2022 | GND | D+ | RESET | D- | 3.3v | CS | SCK | MISO | MOSI | BARO
